# Altium PCB Pleiades_Frouf.PcbDoc (part 11 of 12)
Units mil, origin at the board's own origin, x right, y up, seen from the top; angles counter-clockwise.
Board outline 12244.09 x 4515.28 mil, 12 copper layers (TOP, GND1, IN1, GND2, POW1, GND3, POW2, GND4, GND5, IN2, GND6, BOT), stack 63.546 mil thick; 1442 components, 702 nets, 4419 pads, 1756 vias.
Unrouted connection lines stored in the file: 1088.
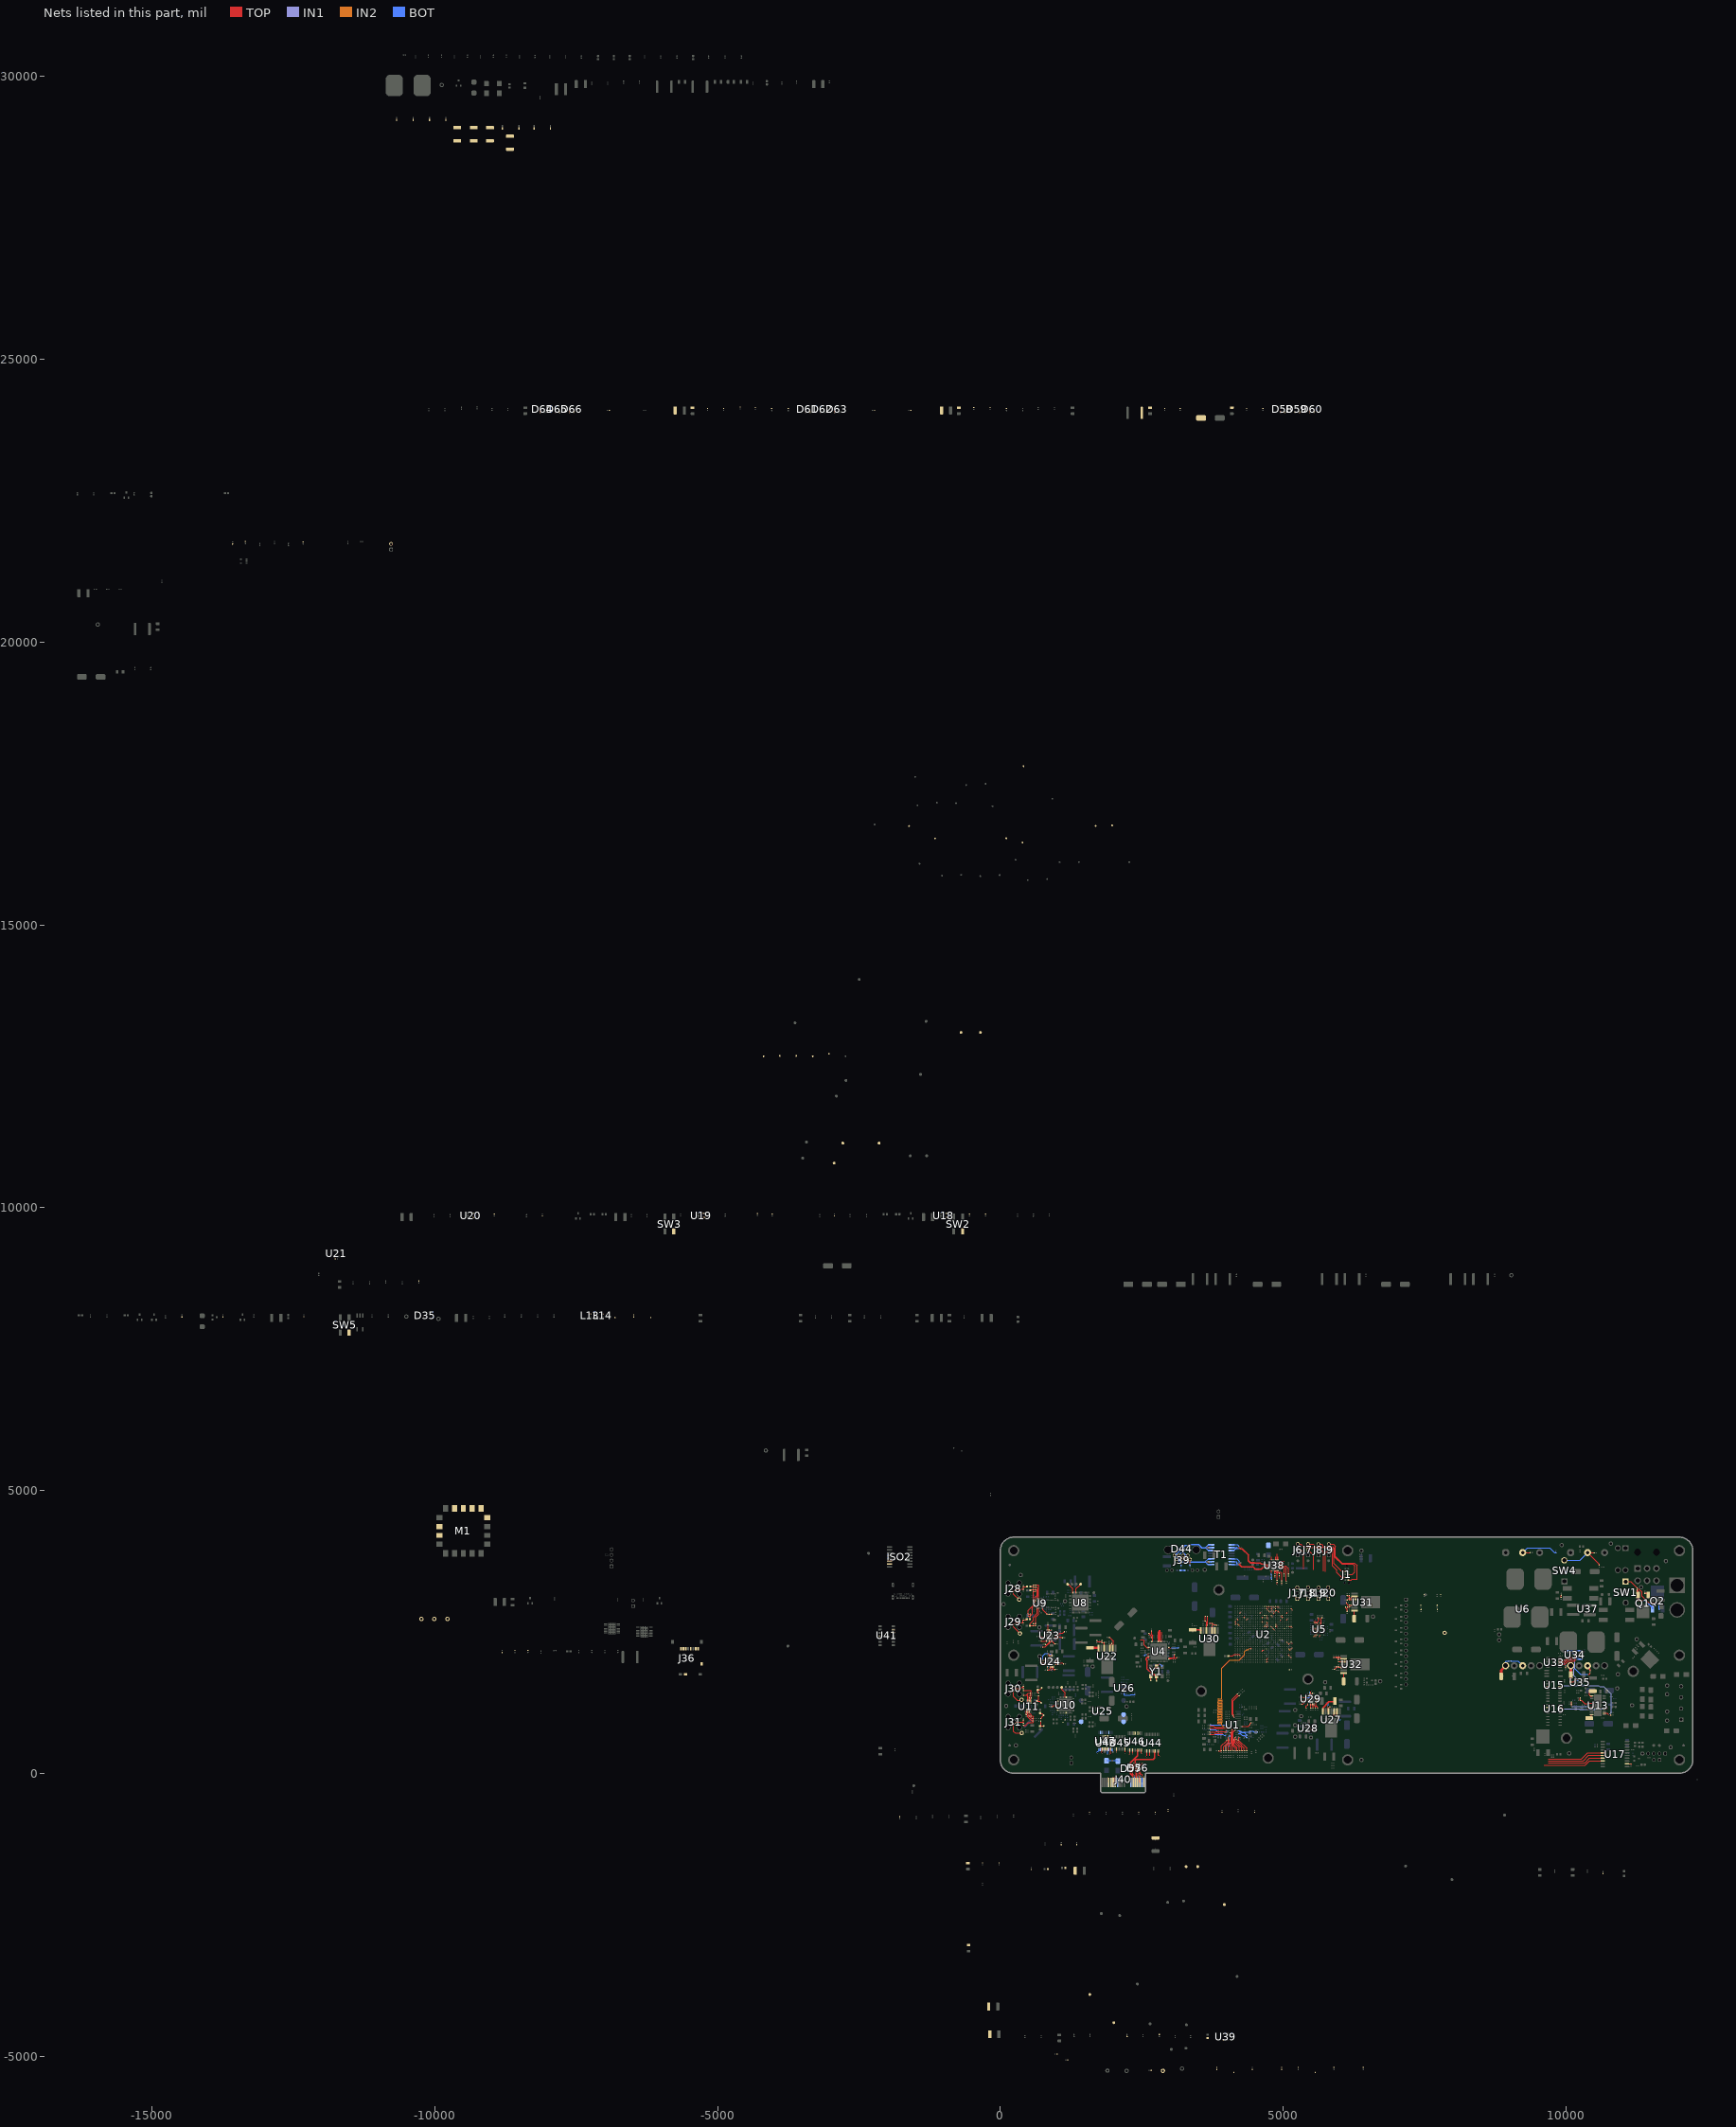
[diagram p21: the nets of this part, all layers, seen from the top]

## Via types
v1: diameter 12/18/18/18/18/18/18/18/18/18/18/12 (per signal layer), hole 6, TOP to BOT, 1113 vias
v2: diameter 20, hole 10, TOP to BOT, 363 vias
v3: diameter 19.68, hole 7.87, TOP to BOT, 110 vias
v4: diameter 25, hole 12, TOP to BOT, 67 vias
v5: diameter 40, hole 20, TOP to BOT, 48 vias
v6: diameter 22, hole 12, TOP to BOT, 27 vias
v7: diameter 12, hole 6, TOP to BOT, 19 vias
v8: diameter 19.68, hole 11.81, TOP to BOT, 9 vias

## Nets (pads, with @x,y where several pads share a name; then routed paths per layer and width w, separated by ;. In a path a pad name is that pad's centre, name@x,y a point inside that pad or via, vN(x,y) a via of type N, cw(c..) or ccw(c..) an arc to the next point about the centre after c; other vN are vias at no path point) (continued)
NetL8_1: L8.1 U9.12 | length 140.5
  TOP w6: U9.12@752.24,2921.08 752.24,2884.45 L8.1@825.66,2811.03
NetL8_2: L8.2 R110.1 | length 43.9
  TOP w6: L8.2@860.66,2811.03 R110.1@904.54,2810.99
NetL9_1: L9.1 R116.1 TP67.1 U10.47 | length 191.3
  TOP w6: L9.1@676.5,1371.06 676.5,1303.14 R116.1@650,1276.64 690.11,1276.64 TP67.1@722.5,1244.25
NetL10_1: L10.1 R115.1 TP66.1 U10.46 | length 148.8
  TOP w6: L10.1@676.73,1417.76 661.5,1432.99 R115.1@661.5,1474.15 696.08,1474.15 TP66.1@732.5,1510.56
NetL11_1: L11.1 R123.1 TP71.1 U10.38 | length 155.9
  TOP w6: R123.1@703,1063.56 711.78,1054.78 734.43,1054.78 TP71.1@763.5,1025.71 737.9,1000.12 737.9,989 L11.1@715,966.09
NetL12_1: L12.1 R122.1 TP70.1 U10.39 | length 160.5
  TOP w6: R122.1@700.6,834.06 702.04,835.5 TP70.1@767.5,835.5 ; R122.1@700.6,836.18 716.65,852.22 L12.1@716.65,922.48
NetL14_2: L14.2 M1.16
NetL14_3: L14.3 M1.17
NetM1_9: M1.9 R275.1
NetNT1_1: NT1.1 R16.1 | length 349.2
  TOP w6: R16.1@4032.28,397.75 4032.28,484.49 4085.23,537.44 4085.23,709.24 4078.74,715.74 4074.24,715.74 NT1.1@4072.74,717.24
NetNT2_1: NT2.1 R14.1 R15.1 | length 200.5
  TOP w6: NT2.1@4270.95,825.69 4380.99,825.69 R15.1@4415.63,860.33 ; R15.1@4415.02,860.94 4419.89,865.81 4419.89,879.73 R14.1@4434.5,894.34
NetNT3_1: NT3.1 R17.1 | length 218.8
  TOP w6: NT3.1@4133.63,594.26 4133.63,502.71 4187.4,448.94 R17.1@4187.4,397.75
NetNT4_1: NT4.1 R18.1 | length 312.1
  TOP w6: R18.1@3704.65,730 3808.01,730 3812.8,734.8 3960.72,734.8 3965.11,730.41 3990,730.41 3994.99,730.39 3998.51,733.9 3998.51,744.75 NT4.1@4000.01,746.25
NetNT5_1: NT5.1 R19.1 | length 307.7
  BOT w6: R19.1@4035.08,397.75 4035.08,471.05 4046.84,482.82 4046.84,510.94 4089,553.09 4089,631.62 NT5.1@4052.58,668.04
NetNT6_1: NT6.1 R20.1 | length 303.1
  BOT w6: R20.1@3713.92,856.38 3920.66,856.38 ; 3920.68,856.4 4003.09,856.4 4012.3,847.18 NT6.1@4013.17,847.18
NetNT7_1: NT7.1 R21.1 | length 235.9
  TOP w6: R21.1@3702.9,683.18 3781,683.18 3798.75,700.94 3910.12,700.94 3912.94,703.76 NT7.1@3930.24,703.76
NetNT8_1: NT8.1 R22.1 | length 327.2
  TOP w6: R22.1@3704.95,795.26 3838.59,795.26 3839.68,794.17 4027.24,794.17 NT8.1@4030.42,797.35
NetNT9_1: NT9.1 R23.1 | length 183.5
  BOT w6: NT9.1@4205.54,702.15 4242.82,702.15 4275.46,669.51 4320.91,669.51 R23.1@4359.5,630.92
NetNT10_1: NT10.1 R24.1 | length 387.2
  TOP w6: NT10.1@4091.42,774.84 4105.88,760.38 4105.88,408.26 4115.87,398.27 R24.1@4115.87,397.75
NetNT11_1: NT11.1 R25.1 | length 275.3
  BOT w6: R25.1@3713.92,689.49 3935.69,689.49 3957.13,668.04 NT11.1@3980.31,668.04
NetNT12_1: NT12.1 R26.1 | length 250.3
  TOP w6: R26.1@3704.65,840.4 3767.09,840.4 3796.47,811.02 NT12.1@3942.75,811.02
NetNT13_1: NT13.1 R27.1 | length 300.3
  TOP w6: NT13.1@4220.01,638.59 4223.19,635.41 4223.19,628.64 4221.22,626.67 4221.22,581.55 4359.68,443.09 R27.1@4359.68,397.75
NetNT14_1: NT14.1 R28.1 | length 423
  TOP w6: NT14.1@4109.53,1021.16 4112.71,1024.34 4112.71,1026.46 4102.88,1036.29 4102.88,1309.5 R28.1@4194.25,1400.87
NetNT15_1: NT15.1 R29.1 | length 261.6
  BOT w6: R29.1@3990.67,397.75 3990.02,398.4 3990.02,499.46 4037.68,547.12 NT15.1@4037.68,639.33
NetNT16_1: NT16.1 R30.1 | length 438
  TOP w6: NT16.1@4131.09,993.79 4127.91,996.97 4127.91,1027.48 4115.87,1039.52 4115.87,1280.17 4206.74,1371.03 R30.1@4223.5,1371.03
NetNT17_1: NT17.1 R32.1 | length 229.6
  TOP w6: NT17.1@4205.18,579.27 4205.18,550 4312.22,442.95 R32.1@4312.22,394.02
NetNT18_1: NT18.1 R31.1 R33.1 | length 271.9
  TOP w6: R33.1@3859.81,397.75 R31.1@3907.46,397.75 3907.46,482.38 3998.35,573.27 4002.85,573.27 4004.35,574.77 NT18.1@4004.35,579.27
NetNT19_1: NT19.1 R34.1 | length 278.3
  TOP w6: R34.1@3949.07,397.75 3949.07,472.74 4029.62,553.3 4029.62,629.15 4037.68,637.2 NT19.1@4037.68,639.33
NetNT20_1: NT20.1 R35.1 | length 395.2
  TOP w6: NT20.1@4151,762.95 4116.56,728.51 4116.56,484.53 4154.46,446.63 R35.1@4154.46,397.75
NetNT21_1: NT21.1 R36.1 | length 276
  TOP w6: NT21.1@4157.19,638.16 4154.01,634.98 4154.01,535.49 4229.34,460.16 R36.1@4229.34,394.72
NetNT22_1: NT22.1 R38.1 | length 367.4
  BOT w6: NT22.1@4205.06,747.94 4208.24,751.12 4224.5,751.12 4227.68,747.94 4253.01,747.94 4270.95,730 4406.13,730 4425.63,749.49 4465.32,749.49 4486.86,727.95 R38.1@4545.4,727.95
NetNT23_1: NT23.1 R39.1 | length 323.7
  BOT w6: R39.1@3719.23,771.15 3810.61,771.15 3842.31,739.45 3935.52,739.45 3940.17,734.8 3960.72,734.8 3963.37,732.15 3996.75,732.15 4007.82,743.22 4011.07,743.22 4014.25,746.4 4016.37,746.4 NT23.1@4019.55,743.22
NetNT25_1: NT25.1 R40.1 | length 219.2
  TOP w6: R40.1@3990.67,397.75 3990.67,480.68 4046.84,536.85 NT25.1@4046.84,593.66
NetNT26_1: NT26.1 R41.1 | length 145.4
  BOT w6: NT26.1@4237.51,730 4238.01,729.49 4251.23,729.49 4264.16,716.57 4316.44,716.57 4334.59,698.42 R41.1@4359.5,673.51
NetNT28_1: NT28.1 R43.1 | length 246.3
  TOP w6: NT28.1@4173.03,600.44 4173.03,551.29 4172.68,550.95 4234.17,489.46 4235.65,489.46 4270.19,454.91 R43.1@4270.19,395.59
NetNT29_1: NT29.1 R44.1 | length 371.1
  TOP w6: NT29.1@4071.79,747.12 4076.29,747.12 4096.17,727.25 4096.17,503.49 4074.54,481.85 R44.1@4074.54,397.75
NetNT30_1: NT30.1 RX26.1
NetNT31_1: NT31.1 RX27.1
NetNT32_1: NT32.1 RX28.1
NetNT33_1: NT33.1 RX29.1
NetNT34_1: NT34.1 RX26.2
NetNT35_1: NT35.1 RX27.2
NetNT36_1: NT36.1 RX28.2
NetNT37_1: NT37.1 RX29.2
NetNT38_1: NT38.1 R85.1 R87.1 U6.8 | length 355.8
  TOP w50: R85.1@8855.6,1715 8855.6,1820.83 U6.8@8935.87,1901.1
  BOT w12: U6.8@8935.87,1901.1 8935.87,1977.97 8942.9,1985 R87.1@8992.5,1985
NetNT40_1: NT40.1 R184.2 U22.7 | length 144.4
  TOP w50: R184.2@1585,2218.18 U22.7@1729.43,2218.18
NetNT43_1: NT43.1 R211.2 U25.2
NetNT44_1: NT44.1 R219.2 U27.7 | length 328.7
  TOP w25: U27.7@5700.46,1092.08 5705.48,1097.1 5705.48,1157.79 5810.66,1262.97 5902.88,1262.97 R219.2@5916.96,1277.05
NetNT46_1: NT46.1 R239.2 U30.7 | length 150.6
  TOP w30: R239.2@3400,2537.93 3531.6,2537.93 U30.7@3545,2524.53
NetNT48_1: NT48.1 R240.2 U31.7 | length 140.6
  TOP w20: R240.2@6263.09,2735 U31.7@6263.09,2875.58
NetNT50_1: NT50.1 R241.2 U32.7 | length 147.3
  TOP w20: R241.2@6071.29,1624.96 6071.29,1772.05 U32.7@6071.43,1772.19
NetNT52_1: NT52.1 R269.2 R271.1 U37.8 | length 593.5
  TOP w10: R269.2@10084.48,1745.28 R269.2@10084.88,1745.68 ; v1(10388.8,1747.39) 10421.95,1747.39 10428.99,1754.44 R271.1@10428.99,1777.05
  TOP w50: R269.2@10084.08,1742.28 U37.8@10084.08,1901.1
  BOT w10: U37.8@10084.08,1901.1 10104.61,1901.1 10258.32,1747.39 v1(10388.8,1747.39)
NetQ1_1: Q1.1 R83.1 | length 75.9
  TOP w25: R83.1@11397.55,3180.48 11435.8,3180.48 11454.3,3161.98 Q1.1@11454.3,3150.54
NetQ1_2: Q1.2 Q2.2 R81.1 | length 606.6
  TOP w30: R81.1@11256.81,3238.72 11268.03,3227.49 11268.03,3156.81 Q1.2@11274.3,3150.54 11274.3,3056.03 v1(11281.33,3049) v1(11307.16,3049) v1(11333,3049) v1(11358.27,3049)
  BOT w25: v1@11277.31,3049 v1(11281.33,3049) v1(11307.16,3049) v1(11333,3049) 11414,3049 11530,2933 Q2.2@11530,2904
NetR50_2: R50.2 R52.1
NetR67_2: R67.2 U4.12 | length 177.6
  TOP w6: U4.12@2977.36,2220.63 3008.33,2220.63 v1(3012.7,2225)
  BOT w6: v1(3012.7,2225) 3020.2,2217.5 R67.2@3150,2217.5
NetR68_2: R68.2 Y1.2 | length 147.6
  TOP w6: Y1.2@2762,1880.35 2787.94,1906.29 2787.94,1924.05 2801.56,1937.68 2812.62,1937.68 v1(2813,1937.29)
  BOT w6: v1(2813,1937.29) 2814.63,1937.29 2824.06,1927.86 2829.02,1927.86 R68.2@2859,1897.88
NetR70_2: R70.2 R71.2 U4.31 | length 92
  TOP w6: R70.2@2628.03,2471.78 2671.04,2428.77 R71.2@2671.04,2397.59
NetR72_1: R72.1 U4.30 | length 195.8
  TOP w6: R72.1@2674.22,2515.93 2674.22,2455.3 2690.76,2438.77 2690.76,2342.12 2692.91,2339.96 U4.30@2692.91,2327.91
NetR73_2: R73.2 U4.3 | length 162.1
  TOP w6: U4.3@2977.36,2043.46 3078.99,2043.46 3082.5,2046.98 R73.2@3082.5,2102.52
NetR74_2: R74.2 U4.2 | length 154.7
  TOP w6: U4.2@2977.36,2023.78 3019.36,2023.78 3026.22,2030.63 3106.16,2030.63 R74.2@3122.5,2046.98
NetR75_1: R75.1 U4.43 | length 83.3
  TOP w6: v1@2593.93,2101.37 v1(2595.08,2102.52) U4.43@2625,2102.52
  BOT w6: R75.1@2551.44,2082.83 2571.12,2102.52 v1(2595.08,2102.52)
NetR80_2: R80.2 R84.1 | length 36.5
  TOP w12: R84.1@9917.45,3110.05 R80.2@9917.45,3146.58
NetR81_2: R81.2 R82.2 SW1.1 | length 883.6
  TOP w12: SW1.1@11057.63,3386.09 11144.44,3386.09 11260.81,3269.72 11266.52,3269.72 11284.97,3256.01 11339.87,3217.67 11340.74,3217.06 11341.48,3216.32 11345,3212.8 11345,3130 11460.5,3014.51 11574.56,3014.51 v4(11594.19,2994.88)
  BOT w12: v4(11594.19,2994.88) 11630.12,2994.88 11650,2975 R82.2@11650,2897.5
NetR86_2: R86.2 R88.1 U6.2 | length 790.2
  TOP w12: U6.2@9235.87,3901.1 R88.1@9370,3901.1
  BOT w12: U6.2@9235.87,3901.1 9318.89,3984.13 9711.98,3984.13 9796.5,3899.6 R86.2@9822.52,3899.6
NetR87_2: R87.2 U6.6 | length 243.1
  BOT w12: R87.2@9027.5,1985 9151.97,1985 U6.6@9235.87,1901.1
NetR94_1: R94.1 R95.1 U9.23 | length 336
  TOP w6: R95.1@585.67,3327.11 R94.1@625.67,3327.11 668.48,3327.11 681.38,3314.21 681.38,3135.74 673.5,3127.86 U9.23@673.5,3082.5
NetR94_2: R94.2 R95.2 R96.2 U9.24 | length 346.5
  TOP w6: R96.2@529.09,3303.18 572.98,3303.18 584.04,3292.11 R95.2@585.67,3292.11 R94.2@625.67,3292.11 646.04,3292.11 668.48,3269.67 668.48,3142.52 653.82,3127.86 U9.24@653.82,3082.5
NetR97_2: R97.2 R100.1 R101.1 U9.1 | length 338.3
  TOP w6: R97.2@529.09,3234.87 529.09,3236.11 529.04,3236.17 539.36,3246.49 556.8,3246.49 561.59,3251.29 R100.1@582.32,3251.29 641.24,3251.29 653.82,3238.71 653.82,3150.15 622.32,3118.65 U9.1@622.32,3051
NetR100_2: R100.2 R101.2 U9.2 | length 258.8
  TOP w6: U9.2@622.32,3031.31 592.79,3031.31 582.32,3041.79 R100.2@582.32,3216.29 R101.2@622.32,3216.29
NetR102_1: R102.1 R103.1 U9.5 | length 272.2
  TOP w6: R102.1@529.66,2815.63 529.11,2816.17 490.26,2816.17 R103.1@489.72,2816.72 489.72,2876.11 585.87,2972.26 U9.5@622.32,2972.26
NetR102_2: R102.2 R103.2 R105.2 U9.6 | length 327.8
  TOP w6: R103.2@489.72,2781.72 490.26,2781.17 529.11,2781.17 R102.2@529.66,2780.63 ; R105.2@524.44,2723.66 529.66,2728.88 R102.2@529.66,2780.63 ; U9.6@622.32,2952.57 591.76,2952.57 569.67,2930.48 569.67,2820.64 R102.2@529.66,2780.63
NetR106_2: R106.2 R108.1 R109.1 U9.7 | length 467.4
  TOP w6: R109.1@623.83,2611.26 622.95,2610.39 584.07,2610.39 R108.1@583.2,2609.51 525.95,2609.51 R106.2@524.44,2608 524.44,2645.29 582.14,2703 582.14,2756.12 653.82,2827.8 U9.7@653.82,2921.08
NetR108_2: R108.2 R109.2 U9.8 | length 336.7
  TOP w6: R108.2@583.2,2644.51 584.07,2645.39 622.95,2645.39 R109.2@623.83,2646.26 623.83,2765.95 673.5,2815.63 U9.8@673.5,2921.08
NetR111_1: R111.1 R113.1 U11.1 | length 329.1
  TOP w6: R113.1@409.43,1461.06 532.39,1461.06 546.89,1446.56 R111.1@546.89,1330.47 546.89,1328.84 537.78,1319.74 U11.1@537.78,1264.69
NetR111_2: R111.2 R112.2 U11.2 | length 119.3
  TOP w6: U11.2@512.19,1264.69 512.04,1264.84 512.04,1330.31 R111.2@511.89,1330.47 511.89,1359.16 R112.2@529.39,1376.66
NetR114_2: R114.2 R117.1 U11.3 | length 267.4
  TOP w6: R117.1@409.43,1378.56 460.61,1378.56 ; U11.3@486.6,1264.69 486.6,1364.88 474.79,1376.68 472.91,1378.56 460.61,1378.56 ; R114.2@529.39,1415.35 496.85,1415.35 460.61,1379.1 460.61,1378.56
NetR118_1: R118.1 R120.1 U11.7 | length 445
  TOP w6: R120.1@409.43,850 447.31,850 491.89,894.59 576.57,894.59 588.29,906.31 588.29,993.44 572.01,1009.71 R118.1@544.14,1009.71 544.14,1036.26 528.99,1051.41 514.05,1066.34 514.05,1099.44 U11.7@512.19,1101.31
NetR118_2: R118.2 R119.2 U11.6 | length 180.5
  TOP w6: U11.6@486.6,1101.31 486.6,1049.76 509.14,1027.21 R118.2@509.14,1009.71 514.29,1004.57 518.2,1004.57 555.11,967.66 568.7,967.66 R119.2@570.51,965.84
NetR121_2: R121.2 R124.1 U11.5 | length 230.1
  TOP w6: U11.5@461.01,1101.31 459.91,1100.21 459.91,1038.6 R124.1@458.81,1037.5 486.6,1009.71 486.6,997.29 555.87,928.02 567.94,928.02 R121.2@570.51,925.45
NetR142_1: R142.1 U10.43 | length 119.8
  TOP w6: R142.1@905.81,1180.88 924.61,1180.88 942.07,1198.35 U10.43@1018.35,1198.35
NetR153_1: R153.1 U13.1 | length 161
  TOP w20: U13.1@10456.79,1367.22 10431.48,1367.22 10419.76,1378.94 10419.76,1431.77 10440.74,1452.75 R153.1@10477.36,1452.75
NetR156_1: R156.1 U13.14 | length 89.5
  TOP w8: R156.1@10411.33,973.98 10423.62,973.98 10450.15,1000.5 10450.15,1032.79 10451.91,1034.55 U13.14@10456.79,1034.55
NetR167_1: R167.1 U17.12 | length 70.8
  TOP w10: U17.12@11080.92,164.52 11147.6,164.52 R167.1@11150.48,161.64
NetR173_1: R173.1 SW2.3
NetR179_1: R179.1 SW3.3
NetR185_1: R185.1 U22.3 | length 107.2
  TOP w4.33: U22.3@1937.83,2209.78 1948.63,2220.58 1948.63,2272.13 R185.1@1970.4,2293.9 R185.1@1970.4,2303.53
NetR186_2: R186.2 R189.2 | length 105
  TOP w4.33: R186.2@1705.2,2345.41 1719.68,2330.92 1782.36,2330.92 R189.2@1797.83,2346.4
NetR187_1: R187.1 U23.13 | length 197.6
  TOP w6: U23.13@963.33,2436.18 1018.67,2436.18 1058.04,2475.55 1105.65,2475.55 R187.1@1133.2,2503.1
NetR188_1: R188.1 U24.13 | length 50.5
  TOP w6: U24.13@982.17,1979.02 R188.1@1032.7,1979.02
NetR189_1: R189.1 R194.1 U22.5 | length 149
  TOP w4.33: R189.1@1797.83,2311.4 1799.2,2312.77 1838.97,2312.77 R194.1@1840.33,2314.13 1840.33,2212.28 U22.5@1837.83,2209.78
NetR190_1: R190.1 U23.12 | length 145.4
  TOP w6: U23.12@963.33,2410.59 1074.31,2410.59 1087.33,2397.57 1100.58,2397.57 R190.1@1102.56,2395.59
NetR191_1: R191.1 U24.12 | length 143.8
  TOP w6: U24.12@982.17,1953.43 1098.32,1953.43 R191.1@1117.9,1933.84
NetR192_1: R192.1 U23.11 | length 56.9
  TOP w6: U23.11@963.33,2385 963.48,2385.15 1019.98,2385.15 R192.1@1020.13,2385.3
NetR193_1: R193.1 U24.11 | length 53.7
  TOP w6: U24.11@982.17,1927.84 R193.1@1035.85,1927.84
NetR196_1: R196.1 U22.2 | length 235.6
  TOP w4.33: R196.1@1926.09,2403.11 1933.64,2403.11 2002.6,2334.15 2002.6,2270.38 1987.83,2255.62 U22.2@1987.83,2209.78
NetR197_1: R197.1 U23.10 | length 80.5
  TOP w6: U23.10@920.02,2341.69 920.02,2328.9 957.16,2291.76 965.09,2291.76 R197.1@970.24,2286.61
NetR198_1: R198.1 U24.10 | length 77.1
  TOP w6: U24.10@938.86,1884.53 938.86,1840.16 944.02,1835 R198.1@969.43,1835
NetR199_1: R199.1 U23.9 | length 199.4
  TOP w6: R199.1@748.1,2231.61 797.15,2231.61 894.43,2328.9 U23.9@894.43,2341.69
NetR200_1: R200.1 U24.9 | length 99.2
  TOP w6: v1(888.31,1835) 911.77,1835 913.27,1836.5 U24.9@913.27,1884.53
  BOT w6: v1(888.31,1835) 889.06,1835.75 912.52,1835.75 R200.1@913.27,1836.5
NetR201_1: R201.1 U23.8 | length 113.2
  TOP w6: R201.1@795.09,2277.35 826.31,2277.35 867.1,2318.15 867.1,2339.95 U23.8@868.84,2341.69
NetR202_1: R202.1 U24.8 | length 99.7
  TOP w6: R202.1@830.68,1824.23 857.73,1824.23 887.68,1854.18 U24.8@887.68,1884.53
NetR203_1: R203.1 U23.6 | length 109.2
  TOP w6: R203.1@722.65,2338.39 814.36,2338.39 U23.6@817.66,2341.69 U23.6@817.66,2328.9
NetR204_1: R204.1 U24.6 | length 39.4
  TOP w6: v1(836.5,1845.13) U24.6@836.5,1884.53
NetR205_1: R205.1 U23.2 U23.17 U23.18 U23.19 | length 147.8
  TOP w6: R205.1@842.01,2626.76 842.63,2626.14 842.63,2531.29 U23.19@843.25,2530.67 U23.18@868.84,2530.67 U23.17@894.43,2530.67
NetR206_1: R206.1 U24.2 U24.17 U24.18 U24.19 | length 445.2
  TOP w6: v1(753.5,2000.01) 758.1,2004.61 U24.2@793.19,2004.61 ; v1(860.68,2117.09) 862.09,2115.69 U24.19@862.09,2073.51 U24.18@887.68,2073.51 ; U24.17@913.27,2073.51 v1(913.27,2111.09)
  BOT w6: v1(753.5,2000.01) 753.5,2072.91 797.68,2117.09 v1(860.68,2117.09) 862.31,2117.09 868.31,2111.09 v1(913.27,2111.09) R206.1@913.27,2068.33
NetR207_1: R207.1 U23.5 | length 53.5
  TOP w6: R207.1@722.36,2381.28 724.22,2383.14 772.5,2383.14 U23.5@774.36,2385
NetR208_1: R208.1 U24.5 | length 103.3
  TOP w6: v1(726.38,1927.84) U24.5@793.19,1927.84
  BOT w6: v1(726.38,1927.84) R208.1@762.86,1927.84
NetR209_1: R209.1 U23.4 | length 95.1
  TOP w6: R209.1@682.85,2419.28 721.9,2419.28 730.6,2410.59 U23.4@774.36,2410.59
NetR210_1: R210.1 U24.4 | length 61.6
  TOP w6: R210.1@733.25,1957.49 737.31,1953.43 U24.4@793.19,1953.43
NetR212_1: R212.1 U25.3
NetR214_1: R214.1 U25.4
NetR215_1: R215.1 U26.13 | length 217.9
  BOT w6: U26.13@2191.52,1411.96 2195.13,1408.35 2195.13,1385.57 2202.67,1378.03 2298,1378.03 2312.5,1392.53 R215.1@2376,1392.53
NetR221_1: R221.1 U27.3 | length 211.1
  TOP w6: v1(5900.46,1004.48) U27.3@5900.46,1092.08
  BOT w6: R221.1@5896.96,1126.48 5900.46,1122.98 v1(5900.46,1004.48)
NetR222_2: R222.2 R224.1 U27.5 | length 189.6
  TOP w6: U27.5@5800.46,1092.08 v1(5800.46,1180.69) 5802.08,1180.69 5808.29,1174.49 R224.1@5829.96,1174.49
  BOT w6: v1(5800.46,1180.69) 5800.69,1180.92 5800.69,1249.2 R222.2@5800.92,1249.43
NetR223_2: R223.2 U28.7 | length 51.9
  TOP w6: U28.7@5490.11,777.86 R223.2@5541.98,777.86
NetR226_1: R226.1 U27.2 | length 181.7
  TOP w6: U27.2@5950.46,1092.08 5950.76,1091.77 5950.76,1004.78 v1(5951.07,1004.48)
  BOT w6: v1(5951.07,1004.48) 6005.96,949.58 R226.1@6005.96,933.4
NetR229_1: R229.1 U29.13 | length 62.8
  TOP w6: U29.13@5584.13,1316.09 5614.37,1316.09 5619.79,1310.67 v1(5621.41,1310.67)
  BOT w6: v1(5621.41,1310.67) R229.1@5644.7,1310.67
NetR230_1: R230.1 U29.12 | length 71.1
  TOP w6: U29.12@5584.13,1290.5 5584.85,1289.77 5608.69,1289.77 v1(5621.41,1277.05)
  BOT w6: R230.1@5595.99,1283.85 5614.62,1283.85 v1(5621.41,1277.05)
NetR231_1: R231.1 U29.11 | length 123.9
  TOP w6: U29.11@5584.13,1264.91 5584.13,1201.15 5609.22,1176.06 5609.22,1167.58 5608.78,1167.13 5608.78,1151.74 R231.1@5608.69,1151.65
NetR232_1: R232.1 U29.10 | length 80.3
  TOP w6: U29.10@5540.82,1221.6 5540.82,1208.8 5569.14,1180.49 R232.1@5569.14,1153.08
NetR233_1: R233.1 U29.9 | length 74.2
  TOP w6: U29.9@5515.23,1221.6 5515.23,1194.04 5529.01,1180.26 R233.1@5529.01,1153.08
NetR234_1: R234.1 U29.8 | length 68.5
  TOP w6: R234.1@5489.64,1153.08 U29.8@5489.64,1221.6
NetR235_1: R235.1 U29.6 | length 88.3
  TOP w6: R235.1@5407.26,1153.08 5407.26,1189.58 5414.39,1196.7 5426.12,1196.7 5438.46,1209.04 U29.6@5438.46,1221.6
NetR236_1: R236.1 U29.2 U29.17 U29.18 U29.19 | length 396.6
  TOP w6: R236.1@5326.8,1341.68 v1(5352.64,1341.68) U29.2@5395.15,1341.68 ; U29.19@5464.05,1410.58 U29.18@5489.64,1410.58 ; v1(5489.64,1451.67) U29.18@5489.64,1410.58 ; U29.17@5515.23,1410.58 U29.18@5489.64,1410.58
  BOT w6: v1(5352.64,1341.68) 5403.59,1341.68 5408.81,1336.46 5458.14,1336.46 5470.64,1348.96 5470.64,1432.67 v1(5489.64,1451.67)
NetR237_1: R237.1 U29.5 | length 100.9
  TOP w6: R237.1@5326.8,1221.6 5334.76,1221.6 5332.1,1218.94 5349.19,1218.94 5379.26,1249.02 5379.26,1261.05 5383.12,1264.91 U29.5@5395.15,1264.91
NetR238_1: R238.1 U29.4 | length 80.6
  TOP w6: R238.1@5326.8,1261.05 5335.88,1261.05 5365.32,1290.5 U29.4@5395.15,1290.5
NetR242_2: R242.2 R245.2 r258.1 | length 146.5
  TOP w6: r258.1@3695,2649.75 3695.16,2649.59 3744.84,2649.59 R245.2@3745,2649.43 3762.18,2632.25 3814.59,2632.25 3818.11,2628.74 3818.11,2620.2 R242.2@3822.45,2615.86
NetR243_2: R243.2 R247.2 R260.1 | length 81.2
  TOP w6: R260.1@6132.5,3142.5 R243.2@6173.26,3142.5 6171.98,3141.22 6171.98,3104.36 R247.2@6170.7,3103.08
NetR244_2: R244.2 R249.2 R262.1 | length 75.4
  TOP w6: R262.1@5939.28,2044.91 5940.51,2043.68 5977.47,2043.68 R244.2@5978.69,2042.46 R249.2@5978.69,2007.46
NetR245_1: R245.1 U30.3 | length 89.9
  TOP w6: U30.3@3745,2524.53 R245.1@3745,2614.43
NetR246_2: R246.2 R252.2 | length 162.2
  TOP w6: R246.2@3662,2614.75 R252.2@3662,2776.93
NetR247_1: R247.1 U31.3 | length 95.5
  TOP w6: R247.1@6170.7,3068.08 6174.45,3071.83 6259.34,3071.83 U31.3@6263.09,3075.58
NetR248_2: R248.2 R254.2 | length 89.8
  TOP w6: R254.2@6101.69,2937.78 6106.06,2933.42 6106.06,2924.94 6134.36,2896.64 R248.2@6134.36,2861.53
NetR249_1: R249.1 U32.3 | length 92.8